# Altium PCB AI Gateway - Carrier.PcbDoc (part 1 of 3)
Units mm, origin at the board's own origin, x right, y up, seen from the top; angles counter-clockwise.
Board outline 140.01 x 100.04 mm, 4 copper layers (L1, L2/GND, L3/PWR, L4), stack 1.55 mm thick; 244 components, 230 nets, 1110 pads, 346 vias.
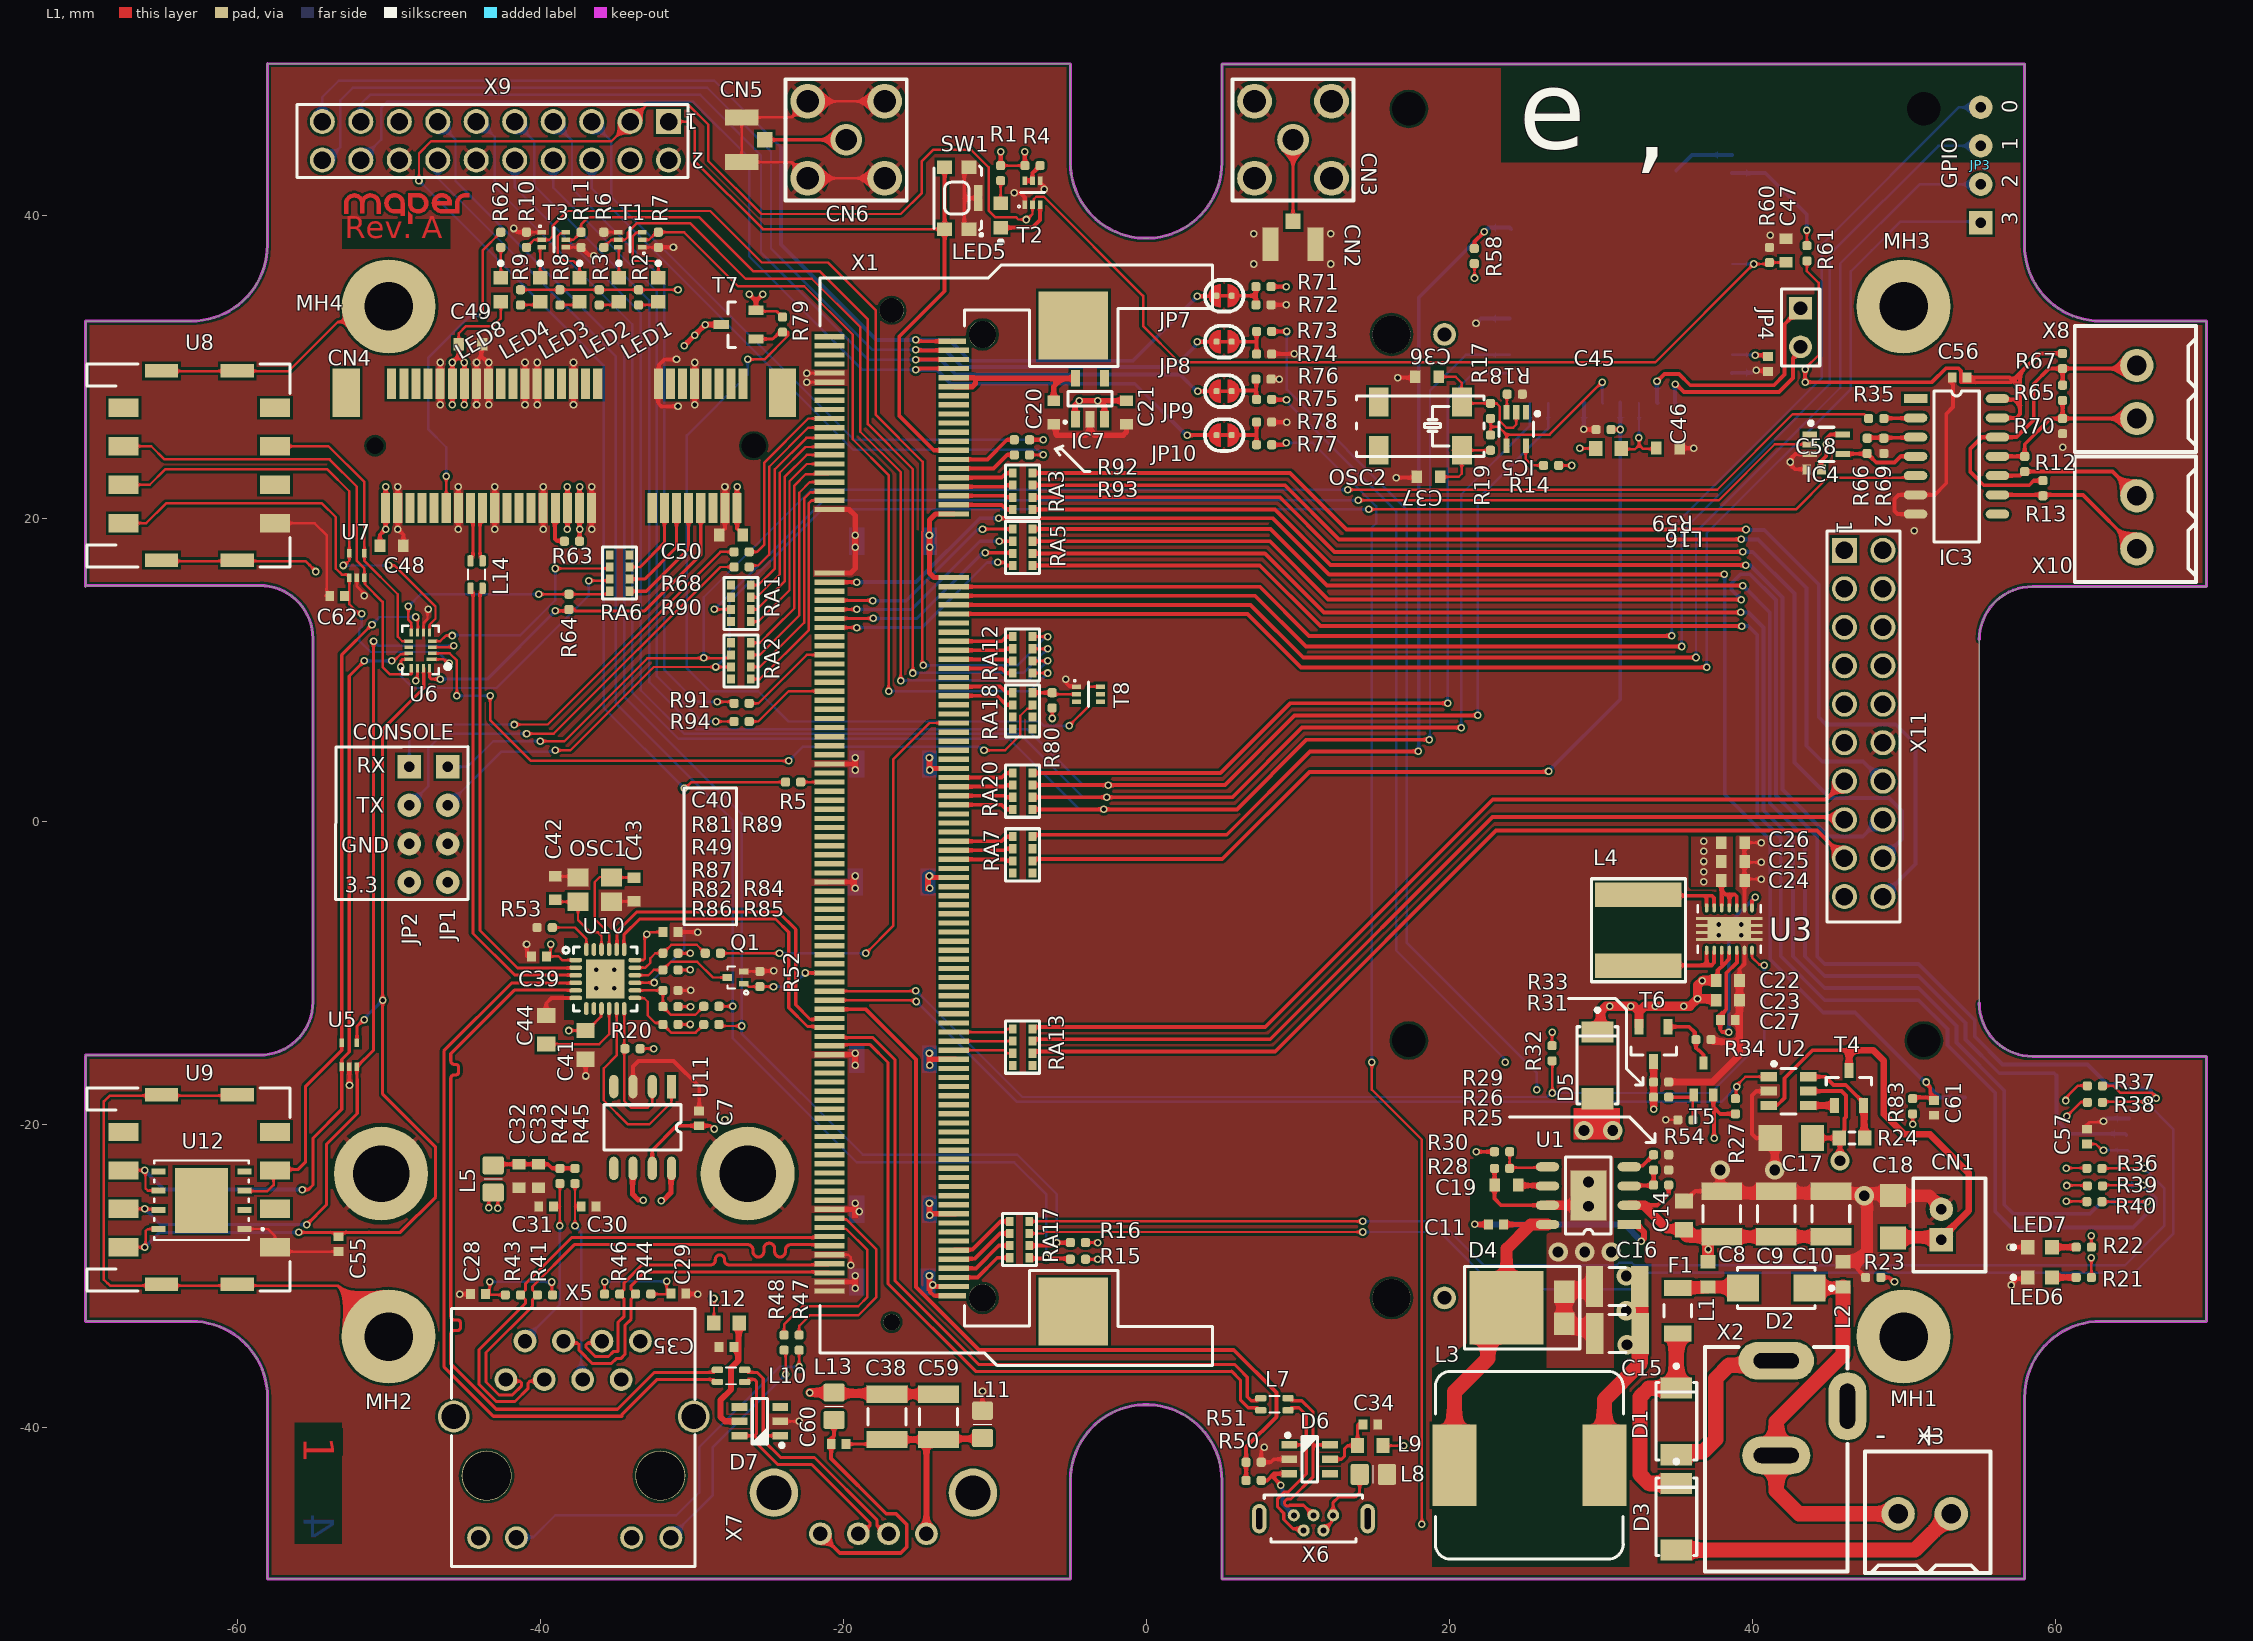
[diagram p0: L1 view]
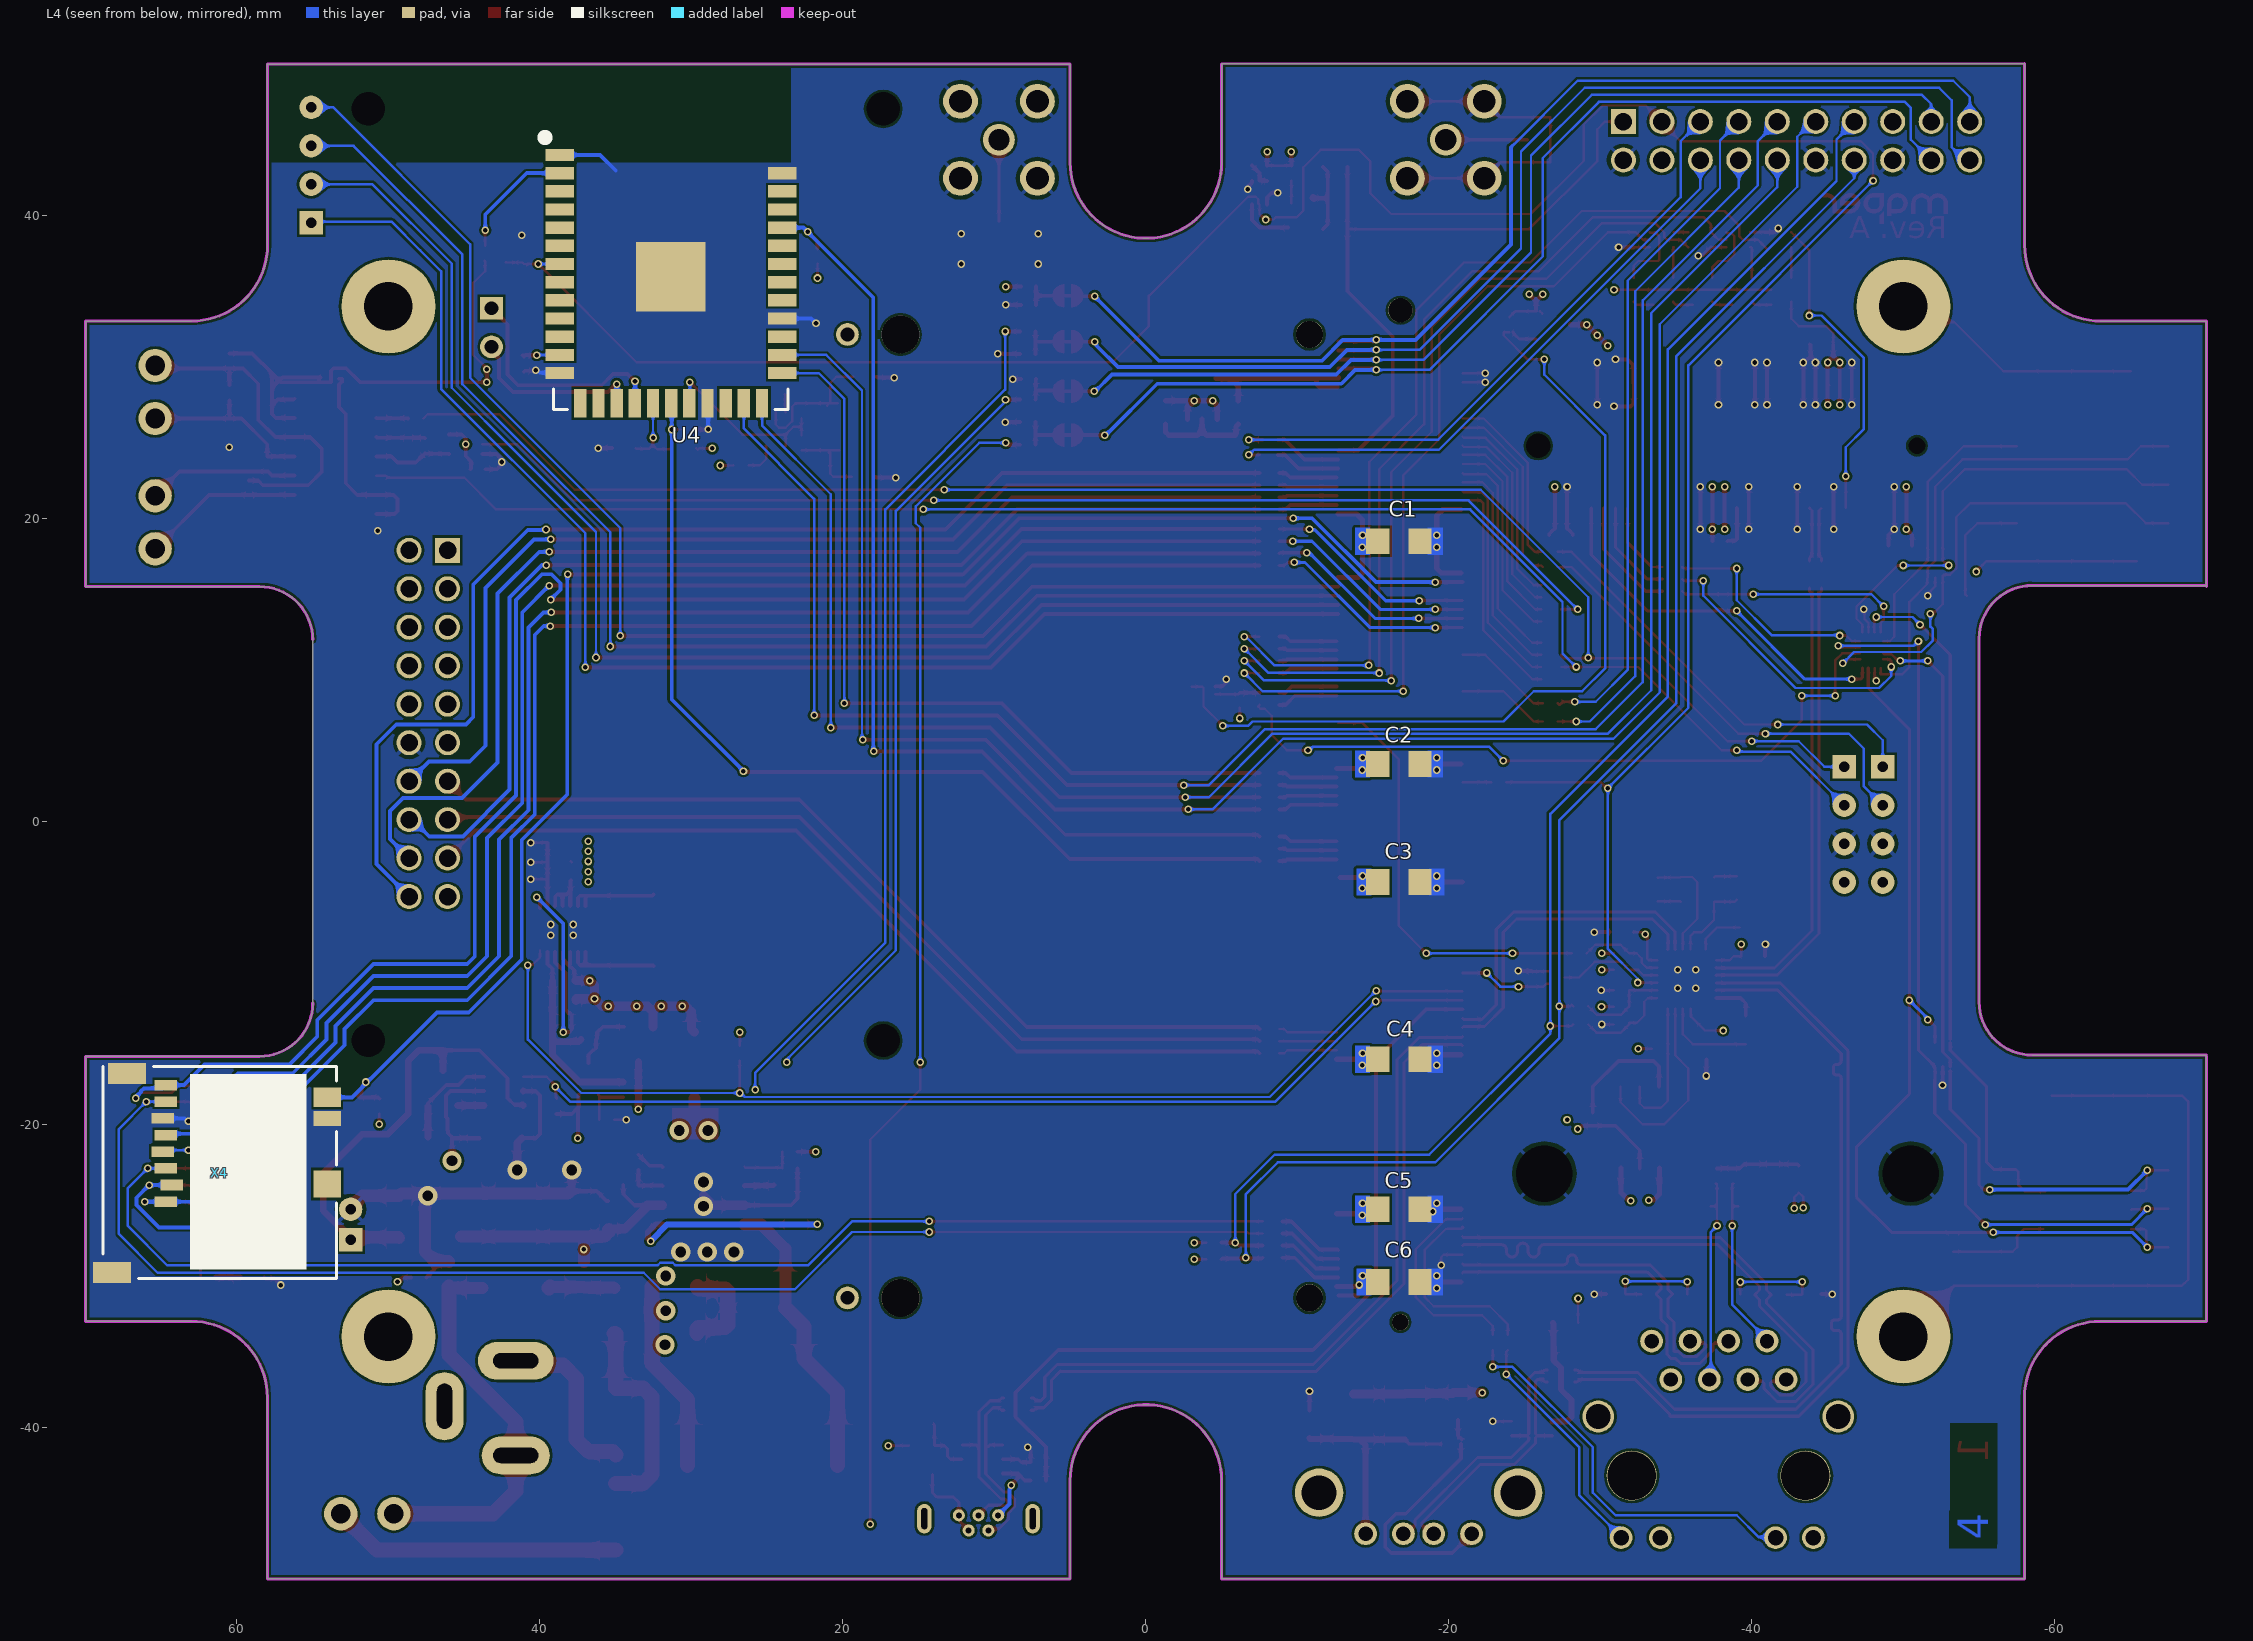
[diagram p1: L4 view, seen from below]
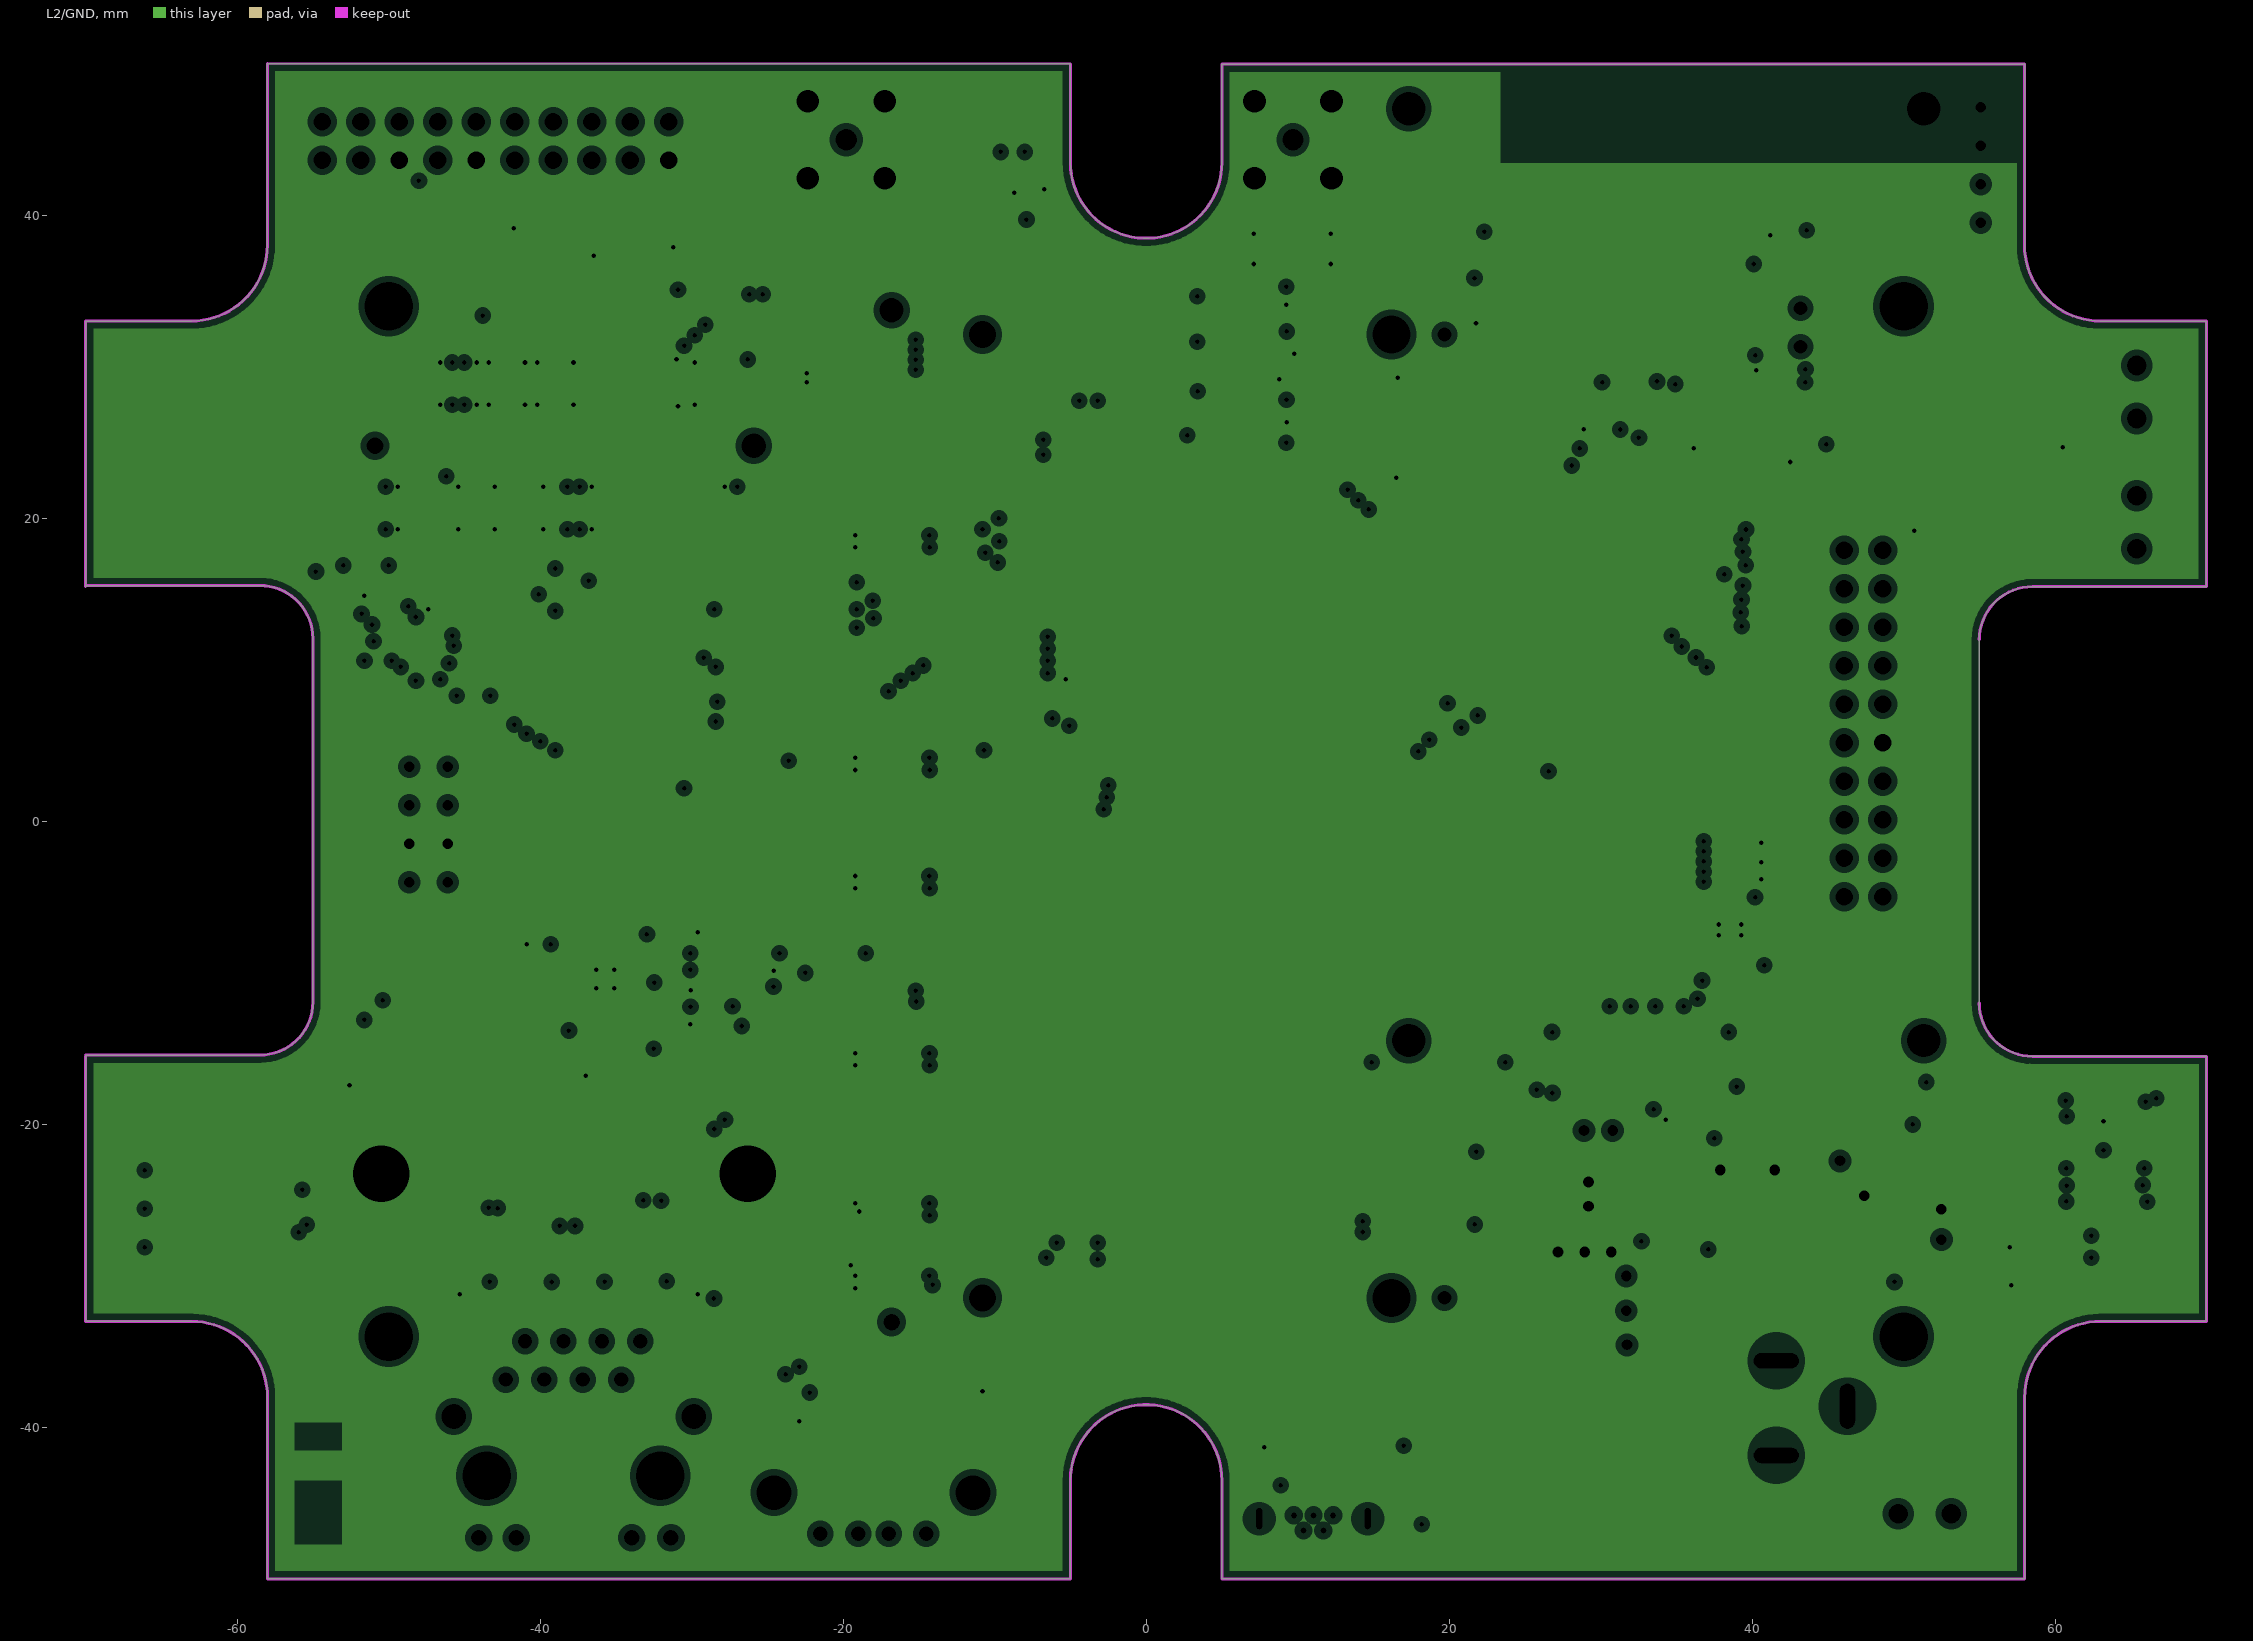
[diagram p2: L2/GND, clearances drawn from the general rule]